# Altium PCB Hydrophone2012.PcbDoc (part 3 of 3)
Units mil, origin at the board's own origin, x right, y up, seen from the top; angles counter-clockwise.
Board outline 4800 x 2625 mil, 4 copper layers (Top Layer, PWR, GND, Bottom Layer); 354 components, 154 nets, 1267 pads, 483 vias.
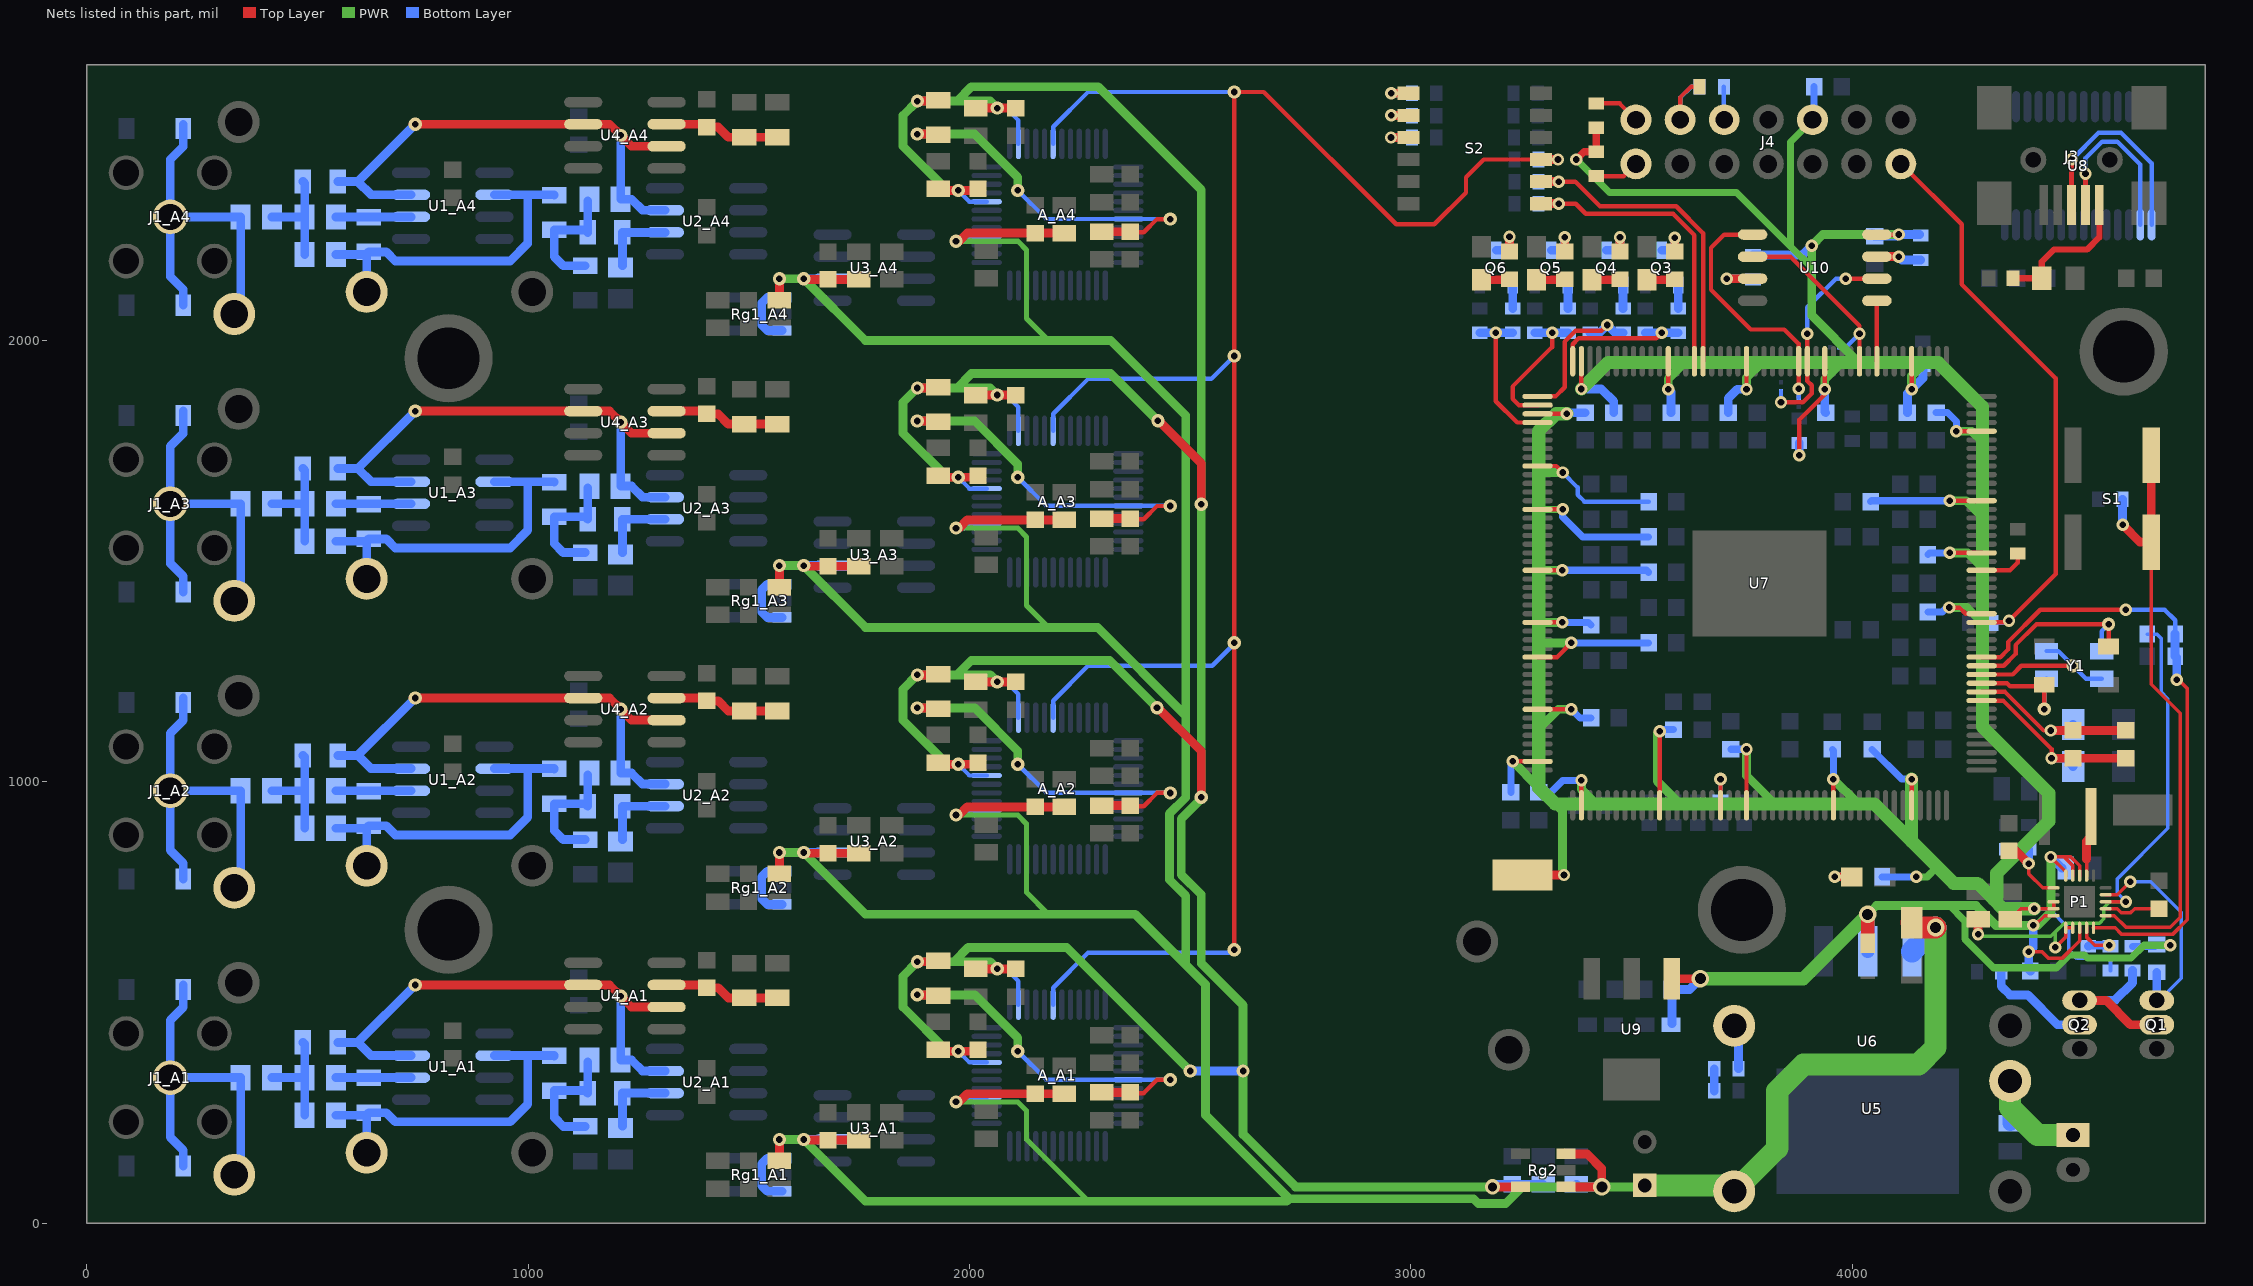
[diagram p5: the nets of this part, all layers, seen from the top]

## Via types
v1: diameter 28, hole 15, Top Layer to Bottom Layer, tented both sides, 277 vias
v2: diameter 30, hole 15, Top Layer to Bottom Layer, tented both sides, 161 vias
v3: diameter 35, hole 20, Top Layer to Bottom Layer, tented both sides, 25 vias
v4: diameter 40, hole 25, Top Layer to Bottom Layer, tented both sides, 14 vias
v5: diameter 28, hole 15, Top Layer to Bottom Layer, 3 vias
v6: diameter 28, hole 15, Top Layer to Bottom Layer, tented bottom, 1 vias
v7: diameter 28, hole 15, Top Layer to Bottom Layer, tented top, 1 vias
v8: diameter 30, hole 15, Top Layer to Bottom Layer, 1 vias

## Nets (pads, with @x,y where several pads share a name; then routed paths per layer and width w, separated by ;. In a path a pad name is that pad's centre, name@x,y a point inside that pad or via, vN(x,y) a via of type N, cw(c..) or ccw(c..) an arc to the next point about the centre after c; other vN are vias at no path point) (continued)
DVDD_A1: A_A1.19 C13_A1.2 C14_A1.2 R6_A1.1 | length 890.9
  Top Layer w10: C14_A1.2@2360,295 2395,295 2425,325 v2(2455,325)
  Top Layer w20: v2(1881.9,517.6) R6_A1.1@1929.5,517.6 ; C13_A1.2@2299.5,296.5 C14_A1.2@2364.5,296.5
  PWR w20: v2(1881.9,517.6) 2011.9,517.6 2109.5,420 v2(2109.5,390)
  Bottom Layer w10: v2(2109.5,390) 2174.34,325.16 A_A1.19@2359.93,325.16 v2@2445.16,325.16 ; v2@2445.31,325.16 v2@2445.16,325.16 ; v2(2455,325) 2445,325 v2@2445.16,325.16
DVDD_A2: A_A2.19 C13_A2.2 C14_A2.2 R6_A2.1 | length 890.9
  Top Layer w10: C14_A2.2@2360,945 2395,945 2425,975 v2(2455,975)
  Top Layer w20: v2(1881.9,1167.6) R6_A2.1@1929.5,1167.6 ; C13_A2.2@2299.5,946.5 C14_A2.2@2364.5,946.5
  PWR w20: v2(1881.9,1167.6) 2011.9,1167.6 2109.5,1070 v2(2109.5,1040)
  Bottom Layer w10: v2(2109.5,1040) 2174.34,975.16 A_A2.19@2359.93,975.16 v2@2445.16,975.16 ; v2@2445.31,975.16 v2@2445.16,975.16 ; v2(2455,975) 2445,975 v2@2445.16,975.16
DVDD_A3: A_A3.19 C13_A3.2 C14_A3.2 R6_A3.1 | length 890.9
  Top Layer w10: C14_A3.2@2360,1595 2395,1595 2425,1625 v2(2455,1625)
  Top Layer w20: v2(1881.9,1817.6) R6_A3.1@1929.5,1817.6 ; C13_A3.2@2299.5,1596.5 C14_A3.2@2364.5,1596.5
  PWR w20: v2(1881.9,1817.6) 2011.9,1817.6 2109.5,1720 v2(2109.5,1690)
  Bottom Layer w10: v2(2109.5,1690) 2174.34,1625.16 A_A3.19@2359.93,1625.16 v2@2445.16,1625.16 ; v2@2445.31,1625.16 v2@2445.16,1625.16 ; v2(2455,1625) 2445,1625 v2@2445.16,1625.16
DVDD_A4: A_A4.19 C13_A4.2 C14_A4.2 R6_A4.1 | length 890.9
  Top Layer w10: C14_A4.2@2360,2245 2395,2245 2425,2275 v2(2455,2275)
  Top Layer w20: v2(1881.9,2467.6) R6_A4.1@1929.5,2467.6 ; C13_A4.2@2299.5,2246.5 C14_A4.2@2364.5,2246.5
  PWR w20: v2(1881.9,2467.6) 2011.9,2467.6 2109.5,2370 v2(2109.5,2340)
  Bottom Layer w10: v2(2109.5,2340) 2174.34,2275.16 A_A4.19@2359.93,2275.16 v2@2445.16,2275.16 ; v2@2445.31,2275.16 v2@2445.16,2275.16 ; v2(2455,2275) 2445,2275 v2@2445.16,2275.16
HALF_A1: C5_A1.2 R5_A1.1 U1_A1.3 U2_A1.3 U4_A1.2 U4_A1.6 | length 1212.6
  Top Layer w20: v2@739.5,540 v2(744.5,540) U4_A1.6@1125.01,540 1184.5,540 v2(1209.93,514.57) 1234.5,490 U4_A1.2@1313.99,490
  Bottom Layer w20: R5_A1.1@568.87,410 614.5,410 ; U1_A1.3@735.01,380 644.5,380 614.5,410 ; v2(744.5,540) 614.5,410 ; v2(1209.93,514.57) C5_A1.2@1209.93,370 1234.5,370 1259.5,345 U2_A1.3@1310.01,345
HALF_A2: C5_A2.2 R5_A2.1 U1_A2.3 U2_A2.3 U4_A2.2 U4_A2.6 | length 1212.6
  Top Layer w20: v2@739.5,1190 v2(744.5,1190) U4_A2.6@1125.01,1190 1184.5,1190 v2(1209.93,1164.57) 1234.5,1140 U4_A2.2@1313.99,1140
  Bottom Layer w20: R5_A2.1@568.87,1060 614.5,1060 ; U1_A2.3@735.01,1030 644.5,1030 614.5,1060 ; v2(744.5,1190) 614.5,1060 ; v2(1209.93,1164.57) C5_A2.2@1209.93,1020 1234.5,1020 1259.5,995 U2_A2.3@1310.01,995
HALF_A3: C5_A3.2 R5_A3.1 U1_A3.3 U2_A3.3 U4_A3.2 U4_A3.6 | length 1212.6
  Top Layer w20: v2@739.5,1840 v2(744.5,1840) U4_A3.6@1125.01,1840 1184.5,1840 v2(1209.93,1814.57) 1234.5,1790 U4_A3.2@1313.99,1790
  Bottom Layer w20: R5_A3.1@568.87,1710 614.5,1710 ; U1_A3.3@735.01,1680 644.5,1680 614.5,1710 ; v2(744.5,1840) 614.5,1710 ; v2(1209.93,1814.57) C5_A3.2@1209.93,1670 1234.5,1670 1259.5,1645 U2_A3.3@1310.01,1645
HALF_A4: C5_A4.2 R5_A4.1 U1_A4.3 U2_A4.3 U4_A4.2 U4_A4.6 | length 1212.6
  Top Layer w20: v2@739.5,2490 v2(744.5,2490) U4_A4.6@1125.01,2490 1184.5,2490 v2(1209.93,2464.57) 1234.5,2440 U4_A4.2@1313.99,2440
  Bottom Layer w20: R5_A4.1@568.87,2360 614.5,2360 ; U1_A4.3@735.01,2330 644.5,2330 614.5,2360 ; v2(744.5,2490) 614.5,2360 ; v2(1209.93,2464.57) C5_A4.2@1209.93,2320 1234.5,2320 1259.5,2295 U2_A4.3@1310.01,2295
INPUT1: R39.1 S2.8 U7.29 | length 751
  Top Layer w10: v1(3335,2360) 3372.5,2360 3428.5,2304 3601.04,2304 3662.05,2242.99 U7.29@3662.05,1952.95
  Top Layer w20: S2.8@3295,2360 v1(3335,2360)
  Bottom Layer w20: R39.1@3289.56,2360 v1(3335,2360)
INPUT2: R40.1 S2.7 U7.30 | length 708
  Top Layer w10: v1(3335,2310) 3373.5,2310 3396.5,2287 3594,2287 3642.36,2238.64 U7.30@3642.36,1952.95
  Top Layer w20: S2.7@3295,2310 v1(3335,2310)
  Bottom Layer w20: R40.1@3289.56,2310 v1(3335,2310)
L0: R14.1 R49.1 U7.44 | length 326
  Top Layer w10: U7.44@3366.77,1952.95 3366.77,1991.77 3380,2005 3556.06,2005 v1(3568.5,2017.44)
  Bottom Layer w20: R49.1@3531.1,2017.44 v1(3568.5,2017.44) R14.1@3605.91,2017.44
L1: R46.1 R50.1 U7.45 | length 375
  Top Layer w10: U7.45@3287.05,1873.23 3327.8,1873.23 3348.5,1893.94 3348.5,1997.55 3372.96,2022 3432,2022 v1(3445,2035)
  Bottom Layer w20: R50.1@3406.1,2017.44 3427.44,2017.44 v1(3445,2035) 3462.56,2017.44 R46.1@3480.91,2017.44
L2: R47.1 R51.1 U7.46 | length 323.8
  Top Layer w10: U7.46@3287.05,1853.54 3245,1853.54 3230.54,1868 3230.54,1895.54 3320,1985 v1(3320,2017.44)
  Bottom Layer w20: R51.1@3281.1,2017.44 v1(3320,2017.44) R47.1@3355.91,2017.44
L3: R48.1 R52.1 U7.48 | length 344.3
  Top Layer w10: v1(3192.47,2017.44) 3192.47,1862.53 3240.83,1814.17 U7.48@3287.05,1814.17
  Bottom Layer w20: R52.1@3156.1,2017.44 v1(3192.47,2017.44) R48.1@3230.91,2017.44
MODE: A_A1.6 A_A2.6 A_A3.6 A_A4.6 R38.1 S2.9 | length 4899.6
  Top Layer w10: v2(2600,620) v2(2600,1315) v2(2600,1965) v2(2600,2563) 2667,2563 2966.84,2263.16 3053.16,2263.16 3125,2335 3125,2370 3165,2410 S2.9@3295,2410
  Top Layer w20: S2.9@3295,2410 v1(3333.5,2410)
  Bottom Layer w10: A_A1.6@2189.66,495.43 2189.66,533.97 2268.69,613 2593,613 v2(2600,620) ; A_A2.6@2189.66,1145.43 2189.66,1183.97 2268.69,1263 2550,1263 2600,1313 v2(2600,1315) ; A_A3.6@2189.66,1795.43 2189.66,1833.97 2268.69,1913 2548,1913 v2(2600,1965) ; A_A4.6@2189.66,2445.43 2189.66,2483.97 2268.69,2563 v2(2600,2563)
  Bottom Layer w20: R38.1@3289.56,2410 v1(3333.5,2410)
NetC1_A1_1: C1_A1.1 C3_A1.2 C4_A1.1 R5_A1.2 | length 240.8
  Bottom Layer w20: C3_A1.2@419.93,330 C4_A1.1@494.07,330 ; R5_A1.2@490.13,410 494.07,406.06 C4_A1.1@494.07,330 ; C1_A1.1@494.07,245 C4_A1.1@494.07,330
NetC1_A1_2: C1_A1.2 R2_A1.1 R3_A1.2 T3_A1.1 U1_A1.6 | length 793
  Bottom Layer w20: C1_A1.2@564.93,245 R2_A1.1@633.87,245 ; T3_A1.1@634.5,160 634.5,244.37 R2_A1.1@633.87,245 ; U1_A1.6@923.99,380 999.5,380 ; R3_A1.2@1059.5,379.37 1058.87,380 999.5,380 ; R2_A1.1@633.87,245 R2_A1.1@639.5,250.63 678.87,250.63 699.5,230 959.5,230 999.5,270 999.5,380
NetC1_A2_1: C1_A2.1 C3_A2.2 C4_A2.1 R5_A2.2 | length 240.8
  Bottom Layer w20: C3_A2.2@419.93,980 C4_A2.1@494.07,980 ; R5_A2.2@490.13,1060 494.07,1056.06 C4_A2.1@494.07,980 ; C1_A2.1@494.07,895 C4_A2.1@494.07,980
NetC1_A2_2: C1_A2.2 R2_A2.1 R3_A2.2 T3_A2.1 U1_A2.6 | length 793
  Bottom Layer w20: C1_A2.2@564.93,895 R2_A2.1@633.87,895 ; T3_A2.1@634.5,810 634.5,894.37 R2_A2.1@633.87,895 ; U1_A2.6@923.99,1030 999.5,1030 ; R3_A2.2@1059.5,1029.37 1058.87,1030 999.5,1030 ; R2_A2.1@633.87,895 R2_A2.1@639.5,900.63 678.87,900.63 699.5,880 959.5,880 999.5,920 999.5,1030
NetC1_A3_1: C1_A3.1 C3_A3.2 C4_A3.1 R5_A3.2 | length 240.8
  Bottom Layer w20: C3_A3.2@419.93,1630 C4_A3.1@494.07,1630 ; R5_A3.2@490.13,1710 494.07,1706.06 C4_A3.1@494.07,1630 ; C1_A3.1@494.07,1545 C4_A3.1@494.07,1630
NetC1_A3_2: C1_A3.2 R2_A3.1 R3_A3.2 T3_A3.1 U1_A3.6 | length 793
  Bottom Layer w20: C1_A3.2@564.93,1545 R2_A3.1@633.87,1545 ; T3_A3.1@634.5,1460 634.5,1544.37 R2_A3.1@633.87,1545 ; U1_A3.6@923.99,1680 999.5,1680 ; R3_A3.2@1059.5,1679.37 1058.87,1680 999.5,1680 ; R2_A3.1@633.87,1545 R2_A3.1@639.5,1550.63 678.87,1550.63 699.5,1530 959.5,1530 999.5,1570 999.5,1680
NetC1_A4_1: C1_A4.1 C3_A4.2 C4_A4.1 R5_A4.2 | length 240.8
  Bottom Layer w20: C3_A4.2@419.93,2280 C4_A4.1@494.07,2280 ; R5_A4.2@490.13,2360 494.07,2356.06 C4_A4.1@494.07,2280 ; C1_A4.1@494.07,2195 C4_A4.1@494.07,2280
NetC1_A4_2: C1_A4.2 R2_A4.1 R3_A4.2 T3_A4.1 U1_A4.6 | length 793
  Bottom Layer w20: C1_A4.2@564.93,2195 R2_A4.1@633.87,2195 ; T3_A4.1@634.5,2110 634.5,2194.37 R2_A4.1@633.87,2195 ; U1_A4.6@923.99,2330 999.5,2330 ; R3_A4.2@1059.5,2329.37 1058.87,2330 999.5,2330 ; R2_A4.1@633.87,2195 R2_A4.1@639.5,2200.63 678.87,2200.63 699.5,2180 959.5,2180 999.5,2220 999.5,2330
NetC2_A1_2: C2_A1.2 R4_A1.1 U2_A1.2 | length 171.3
  Bottom Layer w20: C2_A1.2@1213.87,219.8 R4_A1.1@1213.87,295 U2_A1.2@1310.01,295
NetC2_A2_2: C2_A2.2 R4_A2.1 U2_A2.2 | length 171.3
  Bottom Layer w20: C2_A2.2@1213.87,869.8 R4_A2.1@1213.87,945 U2_A2.2@1310.01,945
NetC2_A3_2: C2_A3.2 R4_A3.1 U2_A3.2 | length 171.3
  Bottom Layer w20: C2_A3.2@1213.87,1519.8 R4_A3.1@1213.87,1595 U2_A3.2@1310.01,1595
NetC2_A4_2: C2_A4.2 R4_A4.1 U2_A4.2 | length 171.3
  Bottom Layer w20: C2_A4.2@1213.87,2169.8 R4_A4.1@1213.87,2245 U2_A4.2@1310.01,2245
NetC3_A1_1: C3_A1.1 D1_A1.2 D2_A1.1 J1_A1.1 T2_A1.1 | length 820
  Bottom Layer w20: D2_A1.1@219,130 219,165.5 189.5,195 J1_A1.1@189.5,330 ; D1_A1.2@219,540 D1_A1.2@219,530 219,489.5 189.5,460 J1_A1.1@189.5,330 ; T2_A1.1@334.5,110 349.07,124.57 C3_A1.1@349.07,330 J1_A1.1@189.5,330
NetC3_A2_1: C3_A2.1 D1_A2.2 D2_A2.1 J1_A2.1 T2_A2.1 | length 820
  Bottom Layer w20: D2_A2.1@219,780 219,815.5 189.5,845 J1_A2.1@189.5,980 ; D1_A2.2@219,1190 D1_A2.2@219,1180 219,1139.5 189.5,1110 J1_A2.1@189.5,980 ; T2_A2.1@334.5,760 349.07,774.57 C3_A2.1@349.07,980 J1_A2.1@189.5,980
NetC3_A3_1: C3_A3.1 D1_A3.2 D2_A3.1 J1_A3.1 T2_A3.1 | length 820
  Bottom Layer w20: D2_A3.1@219,1430 219,1465.5 189.5,1495 J1_A3.1@189.5,1630 ; D1_A3.2@219,1840 D1_A3.2@219,1830 219,1789.5 189.5,1760 J1_A3.1@189.5,1630 ; T2_A3.1@334.5,1410 349.07,1424.57 C3_A3.1@349.07,1630 J1_A3.1@189.5,1630
NetC3_A4_1: C3_A4.1 D1_A4.2 D2_A4.1 J1_A4.1 T2_A4.1 | length 820
  Bottom Layer w20: D2_A4.1@219,2080 219,2115.5 189.5,2145 J1_A4.1@189.5,2280 ; D1_A4.2@219,2490 D1_A4.2@219,2480 219,2439.5 189.5,2410 J1_A4.1@189.5,2280 ; T2_A4.1@334.5,2060 349.07,2074.57 C3_A4.1@349.07,2280 J1_A4.1@189.5,2280
NetC4_A1_2: C4_A1.2 R2_A1.2 U1_A1.2 | length 170.1
  Bottom Layer w20: C4_A1.2@564.93,330 U1_A1.2@735.01,330
NetC4_A2_2: C4_A2.2 R2_A2.2 U1_A2.2 | length 170.1
  Bottom Layer w20: C4_A2.2@564.93,980 U1_A2.2@735.01,980
NetC4_A3_2: C4_A3.2 R2_A3.2 U1_A3.2 | length 170.1
  Bottom Layer w20: C4_A3.2@564.93,1630 U1_A3.2@735.01,1630
NetC4_A4_2: C4_A4.2 R2_A4.2 U1_A4.2 | length 170.1
  Bottom Layer w20: C4_A4.2@564.93,2280 U1_A4.2@735.01,2280
NetC5_A1_1: C5_A1.1 R1_A1.2 R3_A1.1 R4_A1.2 | length 288.2
  Bottom Layer w20: R1_A1.2@1129.5,219.37 1080.13,219.37 1059.5,240 R3_A1.1@1059.5,300.63 1129.5,300.63 R4_A1.2@1135.13,295 C5_A1.1@1135.13,366.06
NetC5_A2_1: C5_A2.1 R1_A2.2 R3_A2.1 R4_A2.2 | length 288.2
  Bottom Layer w20: R1_A2.2@1129.5,869.37 1080.13,869.37 1059.5,890 R3_A2.1@1059.5,950.63 1129.5,950.63 R4_A2.2@1135.13,945 C5_A2.1@1135.13,1016.06
NetC5_A3_1: C5_A3.1 R1_A3.2 R3_A3.1 R4_A3.2 | length 288.2
  Bottom Layer w20: R1_A3.2@1129.5,1519.37 1080.13,1519.37 1059.5,1540 R3_A3.1@1059.5,1600.63 1129.5,1600.63 R4_A3.2@1135.13,1595 C5_A3.1@1135.13,1666.06
NetC5_A4_1: C5_A4.1 R1_A4.2 R3_A4.1 R4_A4.2 | length 288.2
  Bottom Layer w20: R1_A4.2@1129.5,2169.37 1080.13,2169.37 1059.5,2190 R3_A4.1@1059.5,2250.63 1129.5,2250.63 R4_A4.2@1135.13,2245 C5_A4.1@1135.13,2316.06
NetC20_A1_2: C20_A1.2 R7_A1.2 R8_A1.1 U4_A1.3 | length 248.5
  Top Layer w20: U4_A1.3@1313.99,540 C20_A1.2@1393,540 ; C20_A1.2@1404.5,533.5 1431,533.5 1453.87,510.63 R8_A1.1@1489.5,510.63 R7_A1.2@1564.5,510.63
NetC20_A2_2: C20_A2.2 R7_A2.2 R8_A2.1 U4_A2.3 | length 248.5
  Top Layer w20: U4_A2.3@1313.99,1190 C20_A2.2@1393,1190 ; C20_A2.2@1404.5,1183.5 1431,1183.5 1453.87,1160.63 R8_A2.1@1489.5,1160.63 R7_A2.2@1564.5,1160.63
NetC20_A3_2: C20_A3.2 R7_A3.2 R8_A3.1 U4_A3.3 | length 248.5
  Top Layer w20: U4_A3.3@1313.99,1840 C20_A3.2@1393,1840 ; C20_A3.2@1404.5,1833.5 1431,1833.5 1453.87,1810.63 R8_A3.1@1489.5,1810.63 R7_A3.2@1564.5,1810.63
NetC20_A4_2: C20_A4.2 R7_A4.2 R8_A4.1 U4_A4.3 | length 248.5
  Top Layer w20: U4_A4.3@1313.99,2490 C20_A4.2@1393,2490 ; C20_A4.2@1404.5,2483.5 1431,2483.5 1453.87,2460.63 R8_A4.1@1489.5,2460.63 R7_A4.2@1564.5,2460.63
NetC37_1: C37.1 P1.2 | length 128.6
  Top Layer w8: P1.2@4574.06,712.76 4600.39,712.76 4609.64,703.5 4630.36,703.5 4639.61,712.76 C37.1@4695,712.76
NetC39_1: C39.1 P1.11 R20.1 R21.1 | length 231.7
  Top Layer w8: v1(4400,815) 4400,791.5 4431.5,760 P1.11@4455.94,760
  Top Layer w20: C39.1@4355,843.5 4371.5,843.5 v1(4400,815)
  Bottom Layer w20: R21.1@4350,847.44 4399.84,847.44 4399.84,815.16 v1(4400,815)
NetC46_1: C46.1 C48.1 U7.144 | length 366.3
  Top Layer w10: U7.144@4292.95,1243.31 4363.31,1243.31 4382.99,1262.99 v2(4500,1262.99)
  Bottom Layer w10: C46.1@4440,1296.5 4466.5,1296.5 v2(4500,1262.99) 4529.49,1233.5 C48.1@4565,1233.5
NetC46_2: C46.2 U7.143 Y1.1 | length 272.2
  Top Layer w10: U7.143@4292.95,1223.62 4350.6,1223.62 4357.91,1216.31 4431.31,1216.31 Y1.1@4435,1220 v2(4435,1165)
  Bottom Layer w10: v2(4435,1165) 4435,1228.5 C46.2@4440,1233.5
NetC47_2: C47.2 FB1.1 J3.1 | length 325
  Top Layer w14: C47.2@4368.29,2140.86 FB1.1@4429.39,2140.86 4429.39,2178.46 4456.8,2205.86 4531.8,2205.86 4559.79,2233.85 J3.1@4559.79,2306.8
NetC48_2: C48.2 U7.145 Y1.3 | length 456.8
  Top Layer w10: U7.145@4292.95,1262.99 4343.31,1262.99 4370,1289.68 4370,1310 4417.36,1357.36 v2(4580.67,1357.36) Y1.3@4580.67,1306.61
  Bottom Layer w10: C48.2@4565,1296.5 4565,1341.69 v2(4580.67,1357.36)
NetC76_1: C76.1 C77.1 FB3.1 U7.142 | length 419.2
  Top Layer w10: U7.142@4292.95,1203.94 4346.06,1203.94 4433.5,1116.5 v1(4450,1116.5)
  Top Layer w20: v1(4450,1116.5) C77.1@4500,1116.5 C76.1@4620,1116.5
  Bottom Layer w20: v1(4450,1116.5) 4486.85,1116.5 FB3.1@4500.35,1130
NetC76_2: C76.2 C77.2 FB2.1 U7.141 | length 450
  Top Layer w10: U7.141@4292.95,1184.25 4341.71,1184.25 4451.5,1074.46 v1(4451.5,1053.5)
  Top Layer w20: v1(4451.5,1053.5) C77.2@4500,1053.5 C76.2@4620,1053.5
  Bottom Layer w20: v1(4451.5,1053.5) 4481.85,1053.5 FB2.1@4500.35,1035
NetI1_1: I1.1 P1.7 | length 84.2
  Top Layer w8: P1.7@4530.75,787.56 4530.75,825
  Top Layer w20: 4530.75,825 4530.75,865.75 I1.1@4535,870
NetJ4_9: J4.9 R54.2 | length 75.3
  Bottom Layer w10: R54.2@3709.29,2575 3709.29,2500.71 J4.9@3710,2500
NetJ4_11: J4.11 R54.1 R55.2 | length 209.2
  Top Layer w10: J4.11@3610,2500 3610,2550.32 3634.68,2575 R55.2@3654.17,2575
  Bottom Layer w10: J4.11@3610,2500 3610,2550 3635,2575 R54.1@3654.17,2575
NetJ4_13: J4.13 R56.2 | length 105.4
  Top Layer w10: R56.2@3420,2537.09 3472.91,2537.09 J4.13@3510,2500
NetJ4_14: J4.14 R57.2 | length 101.4
  Top Layer w10: R57.2@3420,2372.44 3482.44,2372.44 J4.14@3510,2400
NetL1_1: L1.1 R9.2 | length 62.1
  Top Layer w20: L1.1@3535,2137.6 R9.2@3597.13,2137.6
NetL2_1: L2.1 R10.2 | length 62.8
  Top Layer w20: L2.1@3410,2137.6 R10.2@3472.8,2137.6
NetL3_1: L3.1 R11.2 | length 62.6
  Top Layer w20: L3.1@3285,2137.6 R11.2@3347.6,2137.6
NetL4_1: L4.1 R12.2 | length 62.6
  Top Layer w20: L4.1@3160,2137.6 R12.2@3222.6,2137.6
NetL6_2: L6.2 R58.1 | length 83.2
  Top Layer w20: v1(3960,785) L6.2@3998.66,785
  Bottom Layer w20: v1(3960,785) R58.1@4004.57,785
NetNC1_1: NC1.1 P1.20 R19.1 U7.146 | length 1421.8
  Top Layer w8: P1.20@4546.5,669.45 4595.55,669.45 4609.61,655.39 4726.61,655.39 4759,687.79 4759,1211.71 4739.21,1231.5 v1(4735,1231.5)
  Top Layer w10: U7.146@4292.95,1282.68 4335.61,1282.68 4353,1300.07 4353,1317.04 4425.96,1390 v1(4619.83,1390)
  Bottom Layer w10: v1(4619.83,1390) 4707.6,1390 4731.5,1366.1 NC1.1@4731.5,1335
  Bottom Layer w20: R19.1@4731.5,1285 NC1.1@4731.5,1335 ; v1(4735,1231.5) R19.1@4735,1281.5
NetP1_1: P1.1 R25.1 S1.3 S1.4 | length 1402
  Top Layer w8: P1.1@4574.06,697.01 4593.38,697.01 4620,670.39 4720.39,670.39 4743,693 4743,1155.42 4677.17,1221.25 S1.3@4677.17,1543.15
  Top Layer w20: v1(4612.56,1582.44) 4651.85,1543.15 S1.3@4677.17,1543.15 S1.4@4677.17,1740
  Bottom Layer w20: v1(4612.56,1582.44) R25.1@4612.56,1640
NetP1_4: P1.4 Q1.1 R23.1 | length 508
  Top Layer w8: P1.4@4574.06,744.25 4600.39,744.25 v1(4630,773.86)
  Bottom Layer w8: v1(4630,773.86) 4676.14,773.86 4745,705 4745,555 Q1.1@4690,500
  Bottom Layer w20: Q1.1@4690,500 R23.1@4690,568.5
NetP1_19: P1.19 R17.2 R18.1 | length 179
  Top Layer w8: P1.19@4530.75,669.45 4530.75,648.5 4549.25,630 v7(4582.56,630)
  Bottom Layer w8: R18.1@4535,627.56 R17.2@4585,627.56
  Bottom Layer w20: R18.1@4535,627.56 4537.44,630 v7(4582.56,630)
NetQ1_2: Q1.2 Q2.1 R22.1 | length 361.8
  Top Layer w20: Q2.1@4515,505 4575,505 4630,450 Q1.2@4690,450
  Bottom Layer w20: Q2.1@4515,505 4595,505 4635,545 R22.1@4635,572.44
NetQ2_2: Q2.2 R24.1 | length 246.2
  Bottom Layer w20: R24.1@4337.56,570 4337.56,537.44 4357.4,517.6 4397.4,517.6 4465,450 Q2.2@4515,450
NetQ3_1: Q3.1 R14.2 | length 53.1
  Bottom Layer w20: R14.2@3605.91,2072.56 Q3.1@3605.91,2125.63
NetQ3_3: Q3.3 R9.1 | length 81.7
  Top Layer w20: R9.1@3598.03,2201.5 v1(3598.03,2232.6)
  Bottom Layer w20: Q3.3@3568.5,2204.37 3585.87,2204.37 3598.03,2216.54 v1(3598.03,2232.6)
NetQ4_1: Q4.1 R46.2 | length 53.1
  Bottom Layer w20: R46.2@3480.91,2072.56 Q4.1@3480.91,2125.63
NetQ4_3: Q4.3 R10.1 | length 87
  Top Layer w20: R10.1@3473.7,2201.5 v1(3473.7,2233.5)
  Bottom Layer w20: Q4.3@3443.5,2204.37 3466.38,2204.37 3473.7,2211.69 v1(3473.7,2233.5)
NetQ5_1: Q5.1 R47.2 | length 53.1
  Bottom Layer w20: R47.2@3355.91,2072.56 Q5.1@3355.91,2125.63
NetQ5_3: Q5.3 R11.1 | length 82.9
  Top Layer w20: R11.1@3348.5,2201.5 v1(3348.5,2233.5)
  Bottom Layer w20: Q5.3@3318.5,2204.37 3334.37,2204.37 3348.27,2218.27 3348.27,2233.27 v1(3348.5,2233.5)
NetQ6_1: Q6.1 R48.2 | length 53.1
  Bottom Layer w20: R48.2@3230.91,2072.56 Q6.1@3230.91,2125.63
NetQ6_3: Q6.3 R12.1 | length 87
  Top Layer w20: R12.1@3223.5,2201.5 v1(3223.5,2235)
  Bottom Layer w20: Q6.3@3193.5,2204.37 3211.37,2204.37 3223.5,2216.5 v1(3223.5,2235)
NetR15_1: R15.1 U5.4 | length 101.7
  Bottom Layer w20: U5.4@3732.5,447.5 3742.56,437.44 R15.1@3742.56,350
NetR15_2: R15.2 R16.2 | length 50
  Bottom Layer w20: R16.2@3687.44,300 R15.2@3687.44,350
NetR29_1: R29.1 U10.3 | length 102.4
  Top Layer w20: U10.3@4055.75,2190 v1(4105,2190)
  Bottom Layer w20: v1(4105,2190) 4112.56,2182.44 R29.1@4155,2182.44
NetR30_1: R30.1 U10.7 | length 118.9
  Top Layer w20: v1(3715.5,2140) U10.7@3774.25,2140
  Bottom Layer w20: v1(3715.5,2140) 3773.35,2140 R30.1@3775,2138.35
NetR32_2: R32.2 S2.1 | length 86.5
  Top Layer w20: v1(2955.47,2560) S2.1@2995,2560
  Bottom Layer w20: v1(2955.47,2560) R32.2@3002.44,2560
NetR33_2: R33.2 S2.2 | length 86.7
  Top Layer w20: v1(2955.47,2510) S2.2@2995,2510
  Bottom Layer w20: v1(2955.47,2510) 3001.97,2510 R33.2@3002.44,2509.53
NetR34_2: R34.2 S2.3 | length 87.4
  Top Layer w20: v1(2955,2460) S2.3@2995,2460
  Bottom Layer w20: v1(2955,2460) R34.2@3002.44,2460
NetR45_2: R45.2 U7.106 | length 108.2
  Top Layer w10: U7.106@3701.42,947.05 v2(3701.42,1006.42)
  Bottom Layer w10: R45.2@3701.42,957.56 v2(3701.42,1006.42)
NetR53_1: R53.1 U7.156 | length 109.6
  Top Layer w10: U7.156@4292.95,1479.53 4357.44,1479.53 4374.84,1496.93 R53.1@4374.84,1517.44
SPI0_CLK: NT1.2 U7.11 U10.6 | length 455
  Top Layer w10: U10.6@3774.25,2190 3860,2190 4016.38,2033.62 v1(4016.38,2015) U7.11@4016.38,1952.95
  Bottom Layer w10: NT1.2@3970,1985 3986.38,1985 v1(4016.38,2015) v1@4016.38,2006.38